# KiCad board hellen88m42bmw.kicad_pcb (continued)
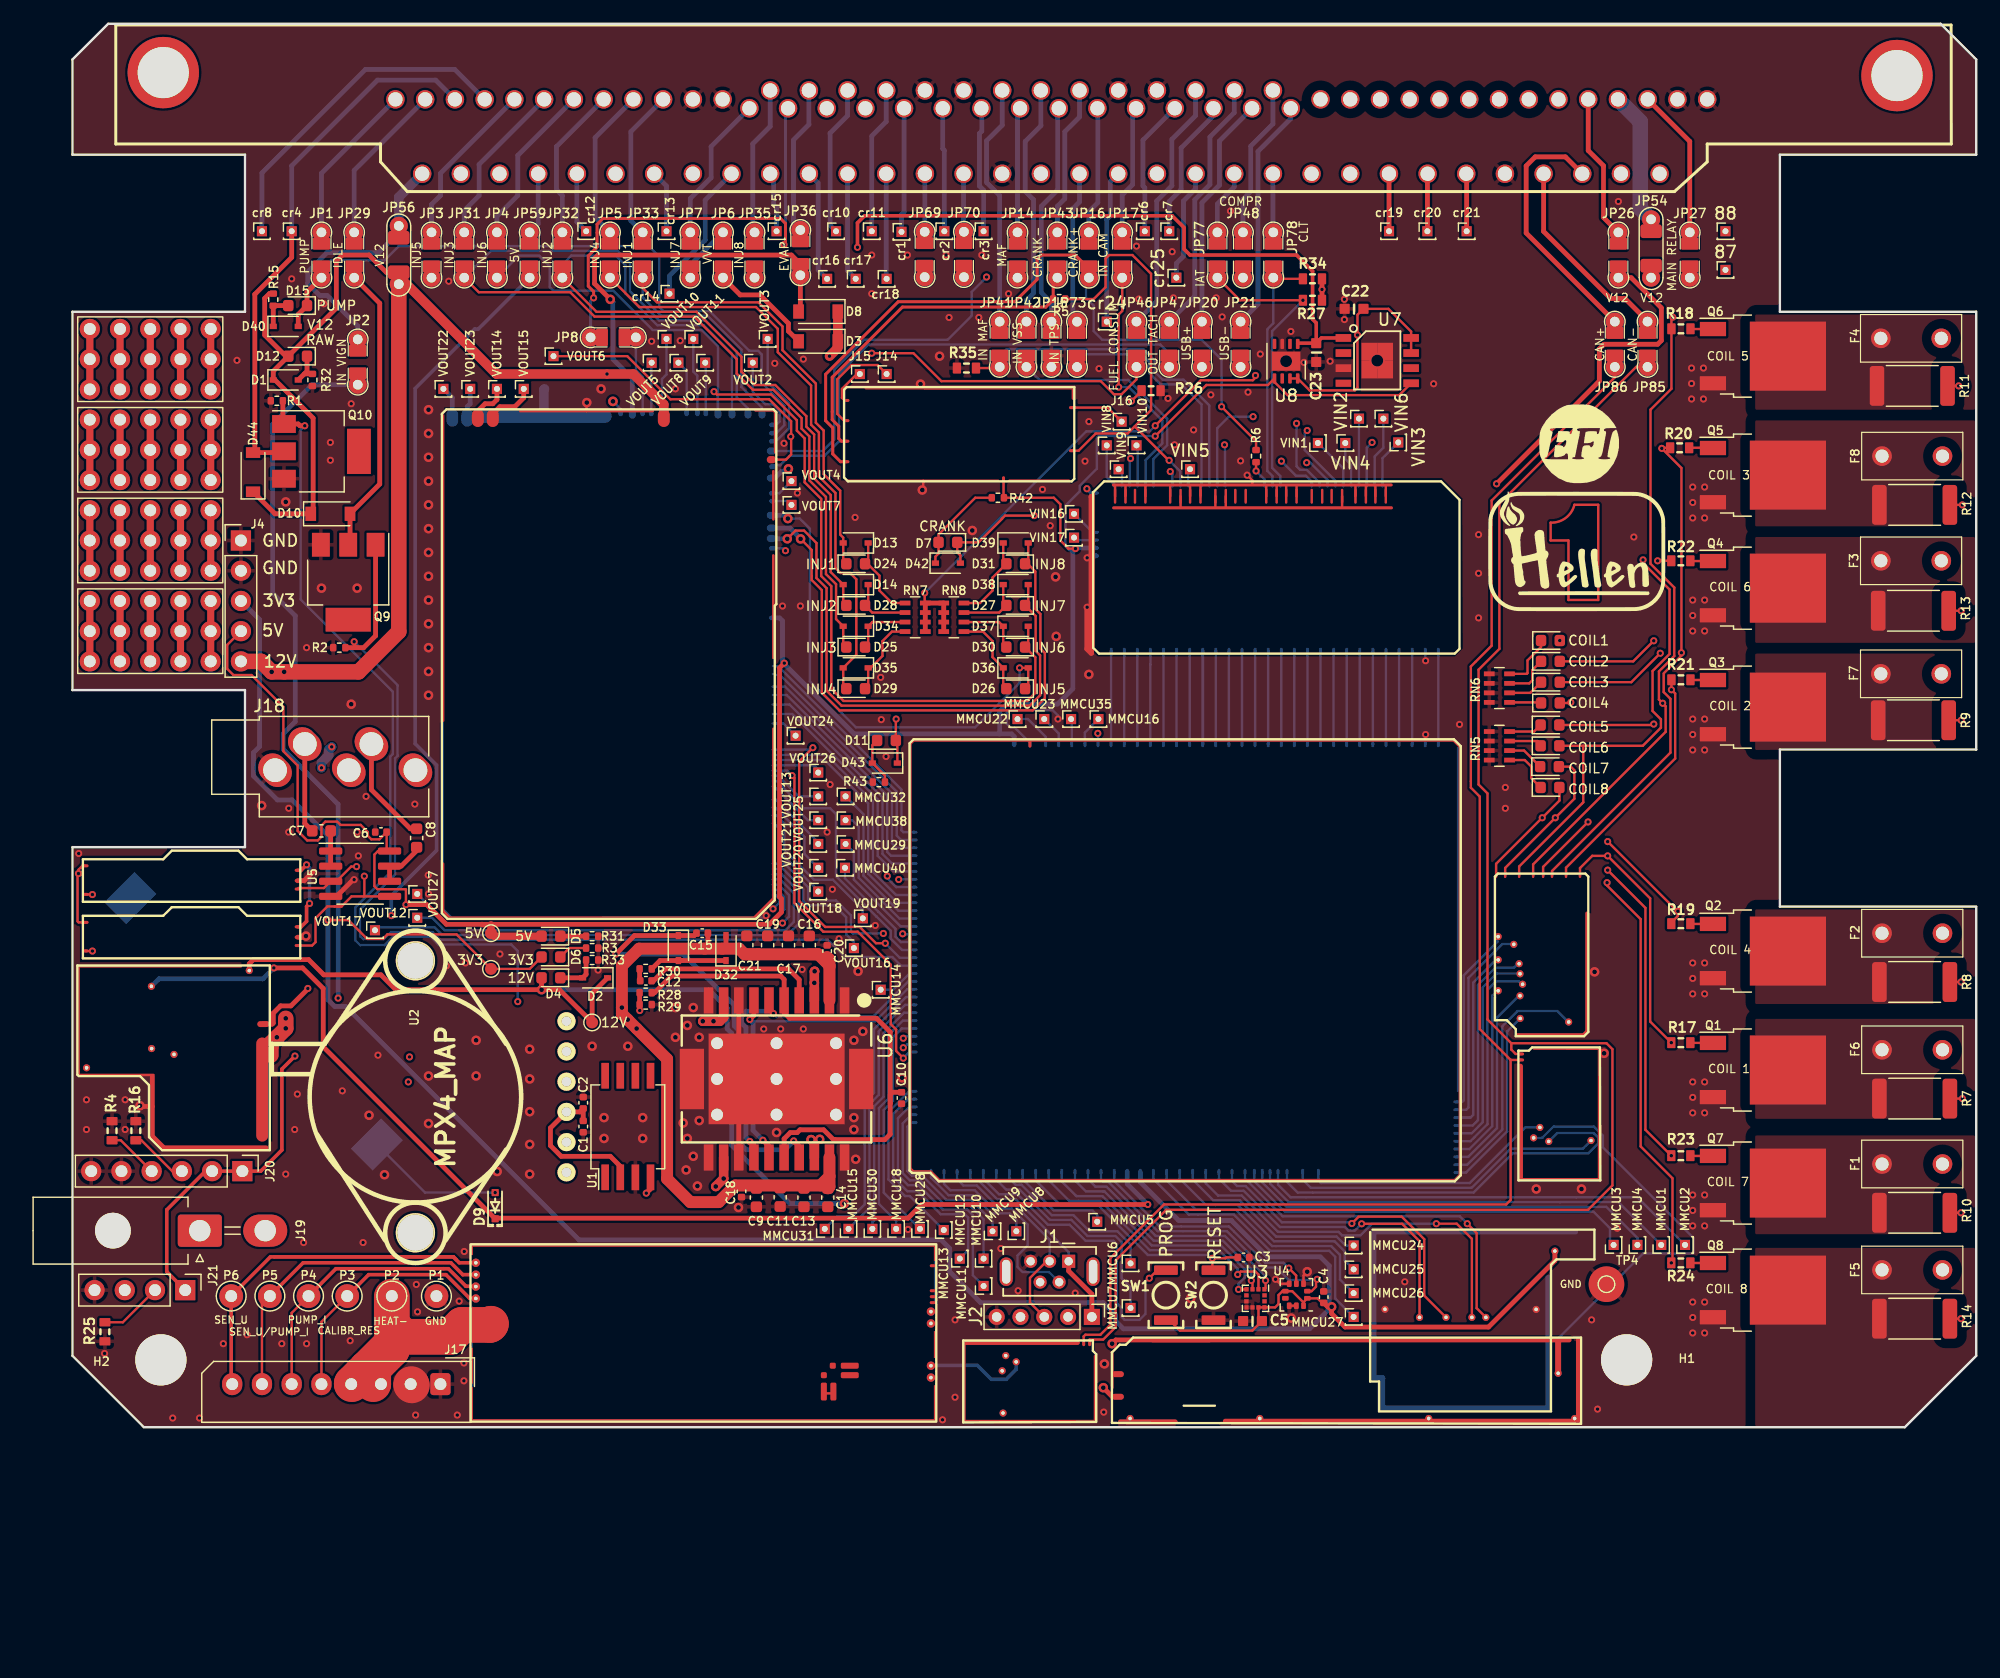
[diagram p0: board, top side]
## Footprints (pads in the part's own frame, mm; a bottom-side part is the same pattern mirrored in y, then rotated) (continued)
ST_HLGA-10_2.5x2.5mm_P0.6mm_LayoutBorder3x2y
  rrect 0.55x0.4 smd: 1(-0.925,0.3) 2(-0.925,-0.3) 6(0.925,-0.3) 7(0.925,0.3)
  rrect 0.4x0.55 smd: 3(-0.6,-0.925) 4(0,-0.925) 5(0.6,-0.925) 8(0.6,0.925) 9(0,0.925) 10(-0.6,0.925)
TestPoint_Pad_D1.0mm
  round 3 smd: 1(0,0)
TestPoint_Pad_D1.0mm#2
  round 1 smd: 1(0,0)
TO-252-2
  rect 3.05x2.75 smd: (0.425,1.525) (0.425,-1.525) (3.775,1.525) (3.775,-1.525)
  rect 2.2x1.2 smd: 1(-4.2,2.28) 3(-4.2,-2.28)
  rect 6.4x5.8 smd: 2(2.1,0)
USB-MINI-B-VERTICAL
  rect 1.1x1.1 hole 0.7: 1(-1.6,-0.875)
  round 1.1 hole 0.7: 2(-0.8,0.875) 3(0,-0.875) 4(0.8,0.875) 5(1.6,-0.875)
  oval 1.1x2.4 hole 0.7x2: 6(-3.65,0) 6(3.65,0)
vr
  oval 0.5x0.25 smd: E1(19.45,6.375) E2(19.45,4.65) E3(19.45,2.925) E4(19.45,1.225) W1(0.494,1.829) W2(0.5,5.45)
  oval 0.2x1 smd: G(0.418,0.664)
  oval 5.2x0.2 smd: G(3.255,7.969)
  oval 17.6x0.2 smd: G(9.127,0.197)
  oval 12.8x0.2 smd: G(13,7.975)
  oval 0.25x0.5 smd: N1(6.25,7.85)
wbo
  round 0.7 hole 0.3: E1(38.8,1.65) E2(38.8,2.65) E3(38.8,3.65) E4(38.8,4.65) W1(0.55,11.3) W2(0.55,10.3) W3(0.55,6.75) W4(0.55,5.75)
  round 3 smd: E5(37.55,6.8)
  rect 0.25x3 smd: E6(39.175,10.3)
  rect 0.25x3.1 smd: G(0.175,13.5)
  rect 0.25x3.1 smd far side: G(0.175,13.5)
  rect 0.25x2.25 smd: G(0.175,8.525)
  rect 0.25x2.25 smd far side: G(0.175,8.525)
  rect 0.25x5.05 smd far side: G(0.175,2.575)
  rect 0.25x1.45 smd: G(0.175,0.775)
  rect 39.25x0.25 smd: G(19.675,14.925) G(19.675,0.175)
  rect 39.25x0.25 smd far side: G(19.675,14.925) G(19.675,0.175)
  rect 0.25x2.95 smd: G(39.175,13.575)
  rect 0.25x9.75 smd far side: G(39.175,10.175)
  rect 0.25x0.95 smd: G(39.175,0.525)
  rect 0.25x0.95 smd far side: G(39.175,0.525)
  rrect 0.5x1.5 smd: J1(9.55,12.475) J_GND1(8.75,12.475)
  rrect 1.5x0.5 smd: J2(7.375,10.3) J_VCC2(7.375,11.1)
  rrect 0.5x0.5 smd: J_GND2(8.8,10.3) J_VCC1(9.55,11.1)
  rrect 0.5x0.25 smd: W5(0.4,5) W6(0.4,4.5) W7(0.4,4) W8(0.4,1.9)
XH-8A
  rrect 1.7x1.85 hole 1: 1(-8.75,-1.1)
  oval 1.7x1.85 hole 1: 2(-6.25,-1.1) 3(-3.75,-1.1) 4(-1.25,-1.1) 5(1.25,-1.1) 6(3.75,-1.1) 7(6.25,-1.1) 8(8.75,-1.1)

## Nets
+3V3: C4.1 C5.2 D6.2 J4.3 M11.N16 M13.V1 SW1.2 TP3.1 U3.9 U3.10 U4.1 U4.6 U4.10
+5V: C6.1 D5.2 J4.4 M1.E1 M2.V1 M3.W1 M4.V1 M5.V2 M6.N1 M7.E2 M9.W14 M11.S1 R42.1 TP2.1 U5.8 U7.5 U8.5
+5VA: C1.1 C2.1 M7.E5 M7.J1 M7.J7 M7.J17 M7.J18 M7.J21 M7.N1 M8.E1 M11.S33 M12.E1 R27.2 R34.2 U1.2 U2.3
+5VP: C23.2 J20.1 J20.2 J21.1 JP59.2 U7.1 U8.1
+12V: D2.1 D4.2 M1.V1 M5.V1 TP1.1
+12V_RAW: C9.1 C11.1 C13.1 C14.1 C15.1 C16.1 C17.1 C18.1 C19.1 C20.1 C21.1 D1.1 D3.1 D8.1 D10.1 D12.2 D32.2 D44.1 J4.5 JP54.2 JP56.2 M1.E2 M9.S11 R15.1 U6.2 U6.19
/12V_prot: C22.2 M9.W5 RN7.1 RN7.2 RN7.3 RN7.4 RN8.1 RN8.2 RN8.3 RN8.4 U7.7 U7.8 U8.7 U8.8 VOUT6.1
/V12_PERM: JP26.2 M1.V4
/VBAT: D9.1 M1.V2 M11.N17
/VBUS: J1.1 J2.1 M11.N29
/VSS: M7.N20 M11.S14
GND: BT1.2 C1.2 C2.2 C3.2 C4.2 C5.1 C6.2 C9.2 C10.2 C11.2 C13.2 C14.2 C16.2 C17.2 C18.2 C19.2 C20.2 C21.2 C22.1 C23.1 J1.5 J2.5 J4.1 J4.2 J17.1 J17.2 J18.S J20.5 J20.6 J21.4 JP15.2 M1.S1 M2.E1 M3.E6 M3.G M4.E1 M5.G M6.G M7.E1 M7.J2 M7.J3 M7.J4 M7.J5 M7.J6 M7.J11 M7.J12 M7.J13 M7.J14 M7.J19 M7.J20 M7.J22 M7.J23 M7.J25 M7.J26 M7.N2 M8.E2 M9.G M9.S3 M10.G M11.S2 M11.S32 M12.E2 M13.G M13.V2 M13.V3 P1.1 PP1.6 PP1.28 PP1.34 PP1.39 PP1.40 PP1.44 PP1.45 PP1.55 PP1.71 PP1.84 Q1.3 Q2.3 Q3.3 Q4.3 Q5.3 Q6.3 Q7.3 Q8.3 Q9.3 Q10.3 R1.1 R2.1 R3.2 R4.1 R16.1 R25.1 R26.1 R29.1 R31.2 R32.2 R33.2 R35.1 R43.2 RN5.1 RN5.2 RN5.3 RN5.4 RN6.1 RN6.2 RN6.3 RN6.4 SW2.2 TP4.1 U1.3 U2.2 U3.6 U3.7 U3.8 U4.3 U4.5 U4.8 U4.9 U5.4 U6.1 U6.8 U6.10 U6.11 U6.13 U6.20 U6.SLUG1 U6.SLUG2 U6.SLUG3 U7.3 U7.9 U8.3 U8.9
/+ETB: M11.E14 U6.7 U6.15
/-ETB: M11.E15 U6.6 U6.14
/A1: M7.N4 M11.S30
/A2: M7.N12 M11.S22
/A4: M7.N11 M11.S23
/AC_COMPR: M9.W34 M11.E21
/AFR: M7.N18 M11.S16
/AUX4: M7.N7 M11.S27
/BOOT0: M11.N28 SW1.1
/CAM: M7.N19 M11.S15
/CAN+: JP86.2 M2.S2 M4.S2
/CAN-: JP85.2 M2.S1 M4.S1
/CAN_RX: M2.V6 M11.N2
/CAN_TX: M2.V5 M11.N3
/CAN_VIO: M2.V2 M11.N1
/CLT: M7.N16 M11.S18
/COIL_1: F6.2 Q1.2 R7.1
/COIL_2: F7.2 Q3.2 R9.1
/COIL_3: F8.2 Q5.2 R12.2
/COIL_4: F2.2 Q2.2 R8.1
/COIL_5: F4.2 Q6.2 R11.2
/COIL_6: F3.2 Q4.2 R13.2
/COIL_7: F1.2 Q7.2 R10.1
/COIL_8: F5.2 Q8.2 R14.2
/CRANK: M7.N21 M11.S13
/ETB_EN: M11.E27 R28.2 R29.2
/EVAP: M9.W38 M11.E7
/FUEL_CONSUM: M9.W22 M11.E18
/HV_1: F6.1 PP1.50
/HV_2: F7.1 PP1.51
/HV_3: F8.1 PP1.52
/HV_4: F2.1 PP1.23
/HV_5: F4.1 PP1.25
/HV_6: F3.1 PP1.24
/HV_7: F1.1 PP1.22
/HV_8: F5.1 PP1.49
/IAT: M7.N15 M11.S19
/ICV: M11.E28 Q10.1 R1.2
/IDLE: M11.E17 Q9.1 R2.2
/IGN1: M10.V8 M11.W1
/IGN2: M10.V7 M11.W2
/IGN3: M10.V6 M11.W3
/IGN4: M10.V5 M11.W4
/IGN5: M10.V4 M11.W5
/IGN6: M10.V3 M11.W6
/IGN7: M10.V2 M11.W7
/IGN8: M10.V1 M11.W8
/IGN_V5: M10.V9 M11.W9
/IGN_V33: M10.V10 M11.W10
/IN_CAM: JP17.2 M7.S5
/IN_CLT: JP78.2 M7.S15 R34.1
/IN_CRANK: D7.1 D42.2 M6.W2 M7.S8 R5.2
/IN_CRANK+: JP43.2 M6.E2 R5.1
/IN_CRANK-: JP16.2 M6.E1 R6.1
/IN_IAT: JP77.2 M7.S16 R27.1
/IN_KNOCK1: M7.S7 M8.E3 U5.3
/IN_KNOCK1_RAW: JP69.2 M8.W1
/IN_KNOCK2: M7.S3 M12.E3 R26.2 U5.5
/IN_KNOCK2_RAW: JP70.2 M12.W1
/IN_MAF: JP14.2 JP41.2 M7.S11 R35.2
/IN_MAP2: M7.S12 U2.1
/IN_PPS1: J21.3 M7.S24
/IN_PPS2: J21.2 M7.S18 R25.2
/IN_TPS: JP73.2 M7.S10
/IN_TPS2: J20.4 M7.S17 R4.2
/IN_TPS3: J20.3 M7.S20 R16.2
/IN_VIGN: JP2.2 M1.V3
/IN_VSS: JP42.2 M7.S6
/INJ1: M9.W24 M11.E25
/INJ2: M9.W23 M11.E26
/INJ3: M9.W20 M11.E29
/INJ4: M9.W19 M11.E30
/INJ5: M9.W18 M11.E31
/INJ6: M9.W17 M11.E32
/INJ7: M9.W16 M11.E33
/INJ8: M9.W15 M11.E34
/INK1: M7.N22 M11.S12
/INK2: M7.N24 M11.S10
/LPS_SCL: M11.N19 U4.2
/LPS_SDA: M11.N18 U4.4
/LSU_CALIBR_RES: J17.5 M3.E4 P3.1
/LSU_HEAT-: J17.3 J17.4 M3.E5 P2.1
/LSU_PUMP_I: J17.6 M3.E3 P4.1
/LSU_SENSOR_U: J17.8 M3.E1 P6.1
/LSU_SENSOR_U/PUMP_I: J17.7 M3.E2 P5.1
/MAF: M7.N14 M11.S20
/MAIN_RELAY: M9.W40 M11.E8
/MAP2: M7.N13 M11.S21
/NRESET: C3.1 M11.N24 SW2.1
/OUT_AC_COMPR: JP48.2 M9.W4
/OUT_CHECK_ENGINE: JP8.2 M9.S8
/OUT_ETB+: J19.2 U6.3 U6.18
/OUT_ETB-: J19.1 U6.9 U6.12
/OUT_EVAP: D8.2 JP36.2 M9.S7
/OUT_FUEL_CONSUM: JP46.2 M9.S6
/OUT_FUEL_PUMP_RELAY: D15.1 D40.2 JP1.2 M9.W2
/OUT_ICV: cr4.1 D44.2 PP1.2 Q10.2
/OUT_IDLE: D10.2 JP29.2 Q9.2
/OUT_IGN1: D23.2 M10.S8 R7.2 R17.2
/OUT_IGN2: D19.2 M10.S7 R9.2 R21.2
/OUT_IGN3: D22.2 M10.S6 R12.1 R20.2
/OUT_IGN4: D18.2 M10.S5 R8.2 R19.2
/OUT_IGN5: D21.2 M10.S4 R11.1 R18.2
/OUT_IGN6: D17.2 M10.S3 R13.1 R22.2
/OUT_IGN7: D20.2 M10.S2 R10.2 R23.2
/OUT_IGN8: D16.2 M10.S1 R14.1 R24.2
/OUT_INJ1: D13.2 D24.1 JP33.2 M9.S18
/OUT_INJ2: D14.2 D28.1 JP32.2 M9.S16
/OUT_INJ3: D25.1 D34.2 JP31.2 M9.S17
/OUT_INJ4: D29.1 D35.2 JP5.2 M9.W7
/OUT_INJ5: D26.1 D36.2 JP3.2 M9.W10
/OUT_INJ6: D30.1 D37.2 JP4.2 M9.S15
/OUT_INJ7: D27.1 D38.2 JP6.1 JP7.2 M9.W12
/OUT_INJ8: D31.1 D39.2 JP35.2 M9.W11
/OUT_MAIN_RELAY: D11.2 D43.1 JP27.2 M9.W13
/OUT_TACH: JP47.2 M9.W6
/PPS1: M7.N5 M11.S29
/PPS2: M7.N9 M11.S25
/PUMP: M9.W26 M11.E6
/RES1: M7.N6 M11.S28
/RES2: M7.N3 M11.S31
/SD_CLK: M11.N9 M13.V6
/SD_CS: M11.N8 M13.V4
/SD_MISO: M11.N10 M13.V7
/SD_MOSI: M11.N11 M13.V5
/SENS1: M7.N26 M11.S8
/SENS2: M7.N25 M11.S9
/SENS4: M7.N23 M11.S11
/SPI_CS: M11.N23 U3.2
/SPI_MISO: M11.N21 U3.3
/SPI_MOSI: M11.N22 U3.4
/SPI_SCK: M11.N20 U3.1
/TACH: M9.W28 M11.E19
/TPS: M7.N17 M11.S17
/TPS2: M7.N10 M11.S24
/TPS3: M7.N8 M11.S26
/USBM: J1.2 J2.2 JP21.2 M11.N31
/USBP: J1.3 J2.3 JP20.2 M11.N30
/VIGN: M1.V5 M11.S7
/VREF1: M7.S14 R6.2
/VREF2: M7.S13 M8.W2 M12.W2
Net-(BT1-+): BT1.1 D9.2
Net-(C7-Pad2): C7.2 J18.T
Net-(C8-Pad2): C8.2 J18.R
Net-(C12-Pad1): C12.1 R30.1
Net-(cr1-Pin_1): cr1.1 PP1.11
Net-(cr2-Pin_1): cr2.1 PP1.12
Net-(cr3-Pin_1): cr3.1 PP1.13
Net-(cr6-Pin_1): cr6.1 PP1.18
Net-(cr7-Pin_1): cr7.1 PP1.19
Net-(cr8-Pin_1): cr8.1 PP1.30
Net-(cr10-Pin_1): cr10.1 PP1.37
Net-(cr11-Pin_1): cr11.1 PP1.38
Net-(cr12-Pin_1): cr12.1 PP1.60
Net-(cr13-Pin_1): cr13.1 PP1.62
Net-(cr14-Pin_1): cr14.1 PP1.64
Net-(cr15-Pin_1): cr15.1 PP1.65
Net-(cr16-Pin_1): cr16.1 PP1.66
Net-(cr17-Pin_1): cr17.1 PP1.67
Net-(cr18-Pin_1): cr18.1 PP1.68
Net-(cr19-Pin_1): cr19.1 PP1.81
Net-(cr20-Pin_1): cr20.1 PP1.82
Net-(cr21-Pin_1): cr21.1 PP1.83
Net-(cr22-Pin_1): cr22.1 PP1.87
Net-(cr23-Pin_1): cr23.1 PP1.88
Net-(cr24-Pin_1): cr24.1 PP1.74
Net-(cr25-Pin_1): cr25.1 PP1.76
Net-(D1-A): D1.2 D12.1 R32.1
Net-(D2-A): D2.2 D4.1 R33.1
Net-(D3-A): D3.2 JP6.2
Net-(D5-K): D5.1 R31.1
Net-(D6-K): D6.1 R3.1
Net-(D11-K): D11.1 D43.2 R43.1
Net-(D13-K): D13.1 D24.2 RN7.5
Net-(D14-K): D14.1 D28.2 RN7.6
Net-(D15-A): D15.2 D40.1 R15.2
Net-(D16-K): D16.1 RN5.5
Net-(D17-K): D17.1 RN5.7
Net-(D18-K): D18.1 RN6.5
Net-(D19-K): D19.1 RN6.7
Net-(D20-K): D20.1 RN5.6
Net-(D21-K): D21.1 RN5.8
Net-(D22-K): D22.1 RN6.6
Net-(D23-K): D23.1 RN6.8
Net-(D25-A): D25.2 D34.1 RN7.7
Net-(D26-A): D26.2 D36.1 RN8.5
Net-(D27-A): D27.2 D38.1 RN8.7
Net-(D29-A): D29.2 D35.1 RN7.8
Net-(D30-A): D30.2 D37.1 RN8.6
Net-(D31-A): D31.2 D39.1 RN8.8
Net-(D32-K): D32.1 D33.2 R30.2
Net-(D33-K): C15.2 D33.1 U6.17
Net-(D42-K): D7.2 D42.1 R42.2
Net-(G3-Pad1): G3.1 G3.6 G3.11
Net-(G3-Pad10): G3.5 G3.10 G3.15
Net-(G3-Pad12): G3.2 G3.7 G3.12
Net-(G3-Pad13): G3.3 G3.8 G3.13
Net-(G3-Pad14): G3.4 G3.9 G3.14
Net-(G4-Pad1): G4.1 G4.6 G4.11
Net-(G4-Pad10): G4.5 G4.10 G4.15
Net-(G4-Pad12): G4.2 G4.7 G4.12
Net-(G4-Pad13): G4.3 G4.8 G4.13
Net-(G4-Pad14): G4.4 G4.9 G4.14
Net-(G6-Pad1): G6.1 G6.6 G6.11
Net-(G6-Pad10): G6.5 G6.10 G6.15
Net-(G6-Pad12): G6.2 G6.7 G6.12
Net-(G6-Pad13): G6.3 G6.8 G6.13
Net-(G6-Pad14): G6.4 G6.9 G6.14
Net-(G7-Pad1): G7.1 G7.6 G7.11
Net-(G7-Pad10): G7.5 G7.10 G7.15
Net-(G7-Pad12): G7.2 G7.7 G7.12
Net-(G7-Pad13): G7.3 G7.8 G7.13
Net-(G7-Pad14): G7.4 G7.9 G7.14
Net-(J14-Pin_1): J14.1 M6.E3
Net-(J15-Pin_1): J15.1 M6.E4
Net-(J16-Pin_1): J16.1 M6.W1
Net-(JP1-Pad1): JP1.1 PP1.1
Net-(JP2-Pad1): JP2.1 JP56.1 PP1.56
Net-(JP3-Pad1): JP3.1 PP1.3
Net-(JP4-Pad1): JP4.1 PP1.4
Net-(JP5-Pad1): JP5.1 PP1.5
Net-(JP7-Pad1): JP7.1 PP1.7
Net-(JP8-Pad1): JP8.1 PP1.8
Net-(JP14-Pad1): JP14.1 PP1.14
Net-(JP15-Pad1): JP15.1 PP1.15
Net-(JP16-Pad1): JP16.1 PP1.16
Net-(JP17-Pad1): JP17.1 PP1.17
Net-(JP20-Pad1): JP20.1 PP1.20
Net-(JP21-Pad1): JP21.1 PP1.21
Net-(JP26-Pad1): JP26.1 PP1.26
Net-(JP27-Pad1): JP27.1 PP1.27
Net-(JP29-Pad1): JP29.1 PP1.29
Net-(JP31-Pad1): JP31.1 PP1.31
Net-(JP32-Pad1): JP32.1 PP1.32
Net-(JP33-Pad1): JP33.1 PP1.33
Net-(JP35-Pad1): JP35.1 PP1.35
Net-(JP36-Pad1): JP36.1 PP1.36
Net-(JP41-Pad1): JP41.1 PP1.41
Net-(JP42-Pad1): JP42.1 PP1.42
Net-(JP43-Pad1): JP43.1 PP1.43
Net-(JP46-Pad1): JP46.1 PP1.46
Net-(JP47-Pad1): JP47.1 PP1.47
Net-(JP48-Pad1): JP48.1 PP1.48
Net-(JP54-Pad1): JP54.1 PP1.54
Net-(JP59-Pad1): JP59.1 PP1.59
Net-(JP69-Pad1): JP69.1 PP1.69
Net-(JP70-Pad1): JP70.1 PP1.70
Net-(JP73-Pad1): JP73.1 PP1.73
Net-(JP77-Pad1): JP77.1 PP1.77
Net-(JP78-Pad1): JP78.1 PP1.78
Net-(JP85-Pad1): JP85.1 PP1.85
Net-(JP86-Pad1): JP86.1 PP1.86
Net-(M3-CAN_RX): M3.W3 M4.V6
Net-(M3-CAN_TX): M3.W4 M4.V5
Net-(M3-CAN_VIO): M3.W2 M4.V2
Net-(M3-PULL_DOWN1): M3.J1 M3.J_GND1
Net-(M7B-WBO_O2S2): M7.E3 VIN17.1
Net-(M7B-WBO_O2S): M7.E4 VIN16.1
Net-(M7C-IN_AUX4): M7.S21 VIN1.1
Net-(M7C-IN_MAP3): M7.S19 U1.4
Net-(M7C-IN_O2S2): M7.S25 VIN6.1
Net-(M7C-IN_O2S): M7.S9 VIN5.1
Net-(M7C-IN_RES1): M7.S23 VIN2.1
Net-(M7C-IN_RES2): M7.S26 VIN3.1
Net-(M7C-IN_RES3): M7.S22 VIN4.1
Net-(M7C-IN_SENS1): M7.S1 VIN8.1
Net-(M7C-IN_SENS2): M7.S2 VIN9.1
Net-(M7C-IN_SENS4): M7.S4 VIN10.1
Net-(M9B-LOW1): M9.W21 VOUT24.1
Net-(M9B-LOW2): M9.W29 VOUT25.1
Net-(M9B-LOW6_DIODE): M9.W25 VOUT26.1
Net-(M9B-LOW7_HIGH1): M9.W39 VOUT27.1
Net-(M9B-LOW8_HIGH2): M9.W37 VOUT12.1
Net-(M9B-LOW9): M9.W27 VOUT13.1
Net-(M9B-LOW11): M9.W35 VOUT16.1
Net-(M9B-LOW12): M9.W36 VOUT17.1
Net-(M9B-SOLENOID_A1): M9.W33 VOUT18.1
Net-(M9B-SOLENOID_A2): M9.W32 VOUT19.1
Net-(M9B-SOLENOID_B1): M9.W31 VOUT20.1
Net-(M9B-SOLENOID_B2): M9.W30 VOUT21.1
Net-(M9C-OUT_HIGH1): M9.W8 VOUT4.1
Net-(M9C-OUT_HIGH2): M9.S9 VOUT5.1
Net-(M9C-OUT_LOW2): M9.W1 VOUT2.1
Net-(M9C-OUT_LOW6_DIODE): M9.W3 VOUT3.1
Net-(M9C-OUT_LOW7_PULLUP): M9.W9 VOUT7.1
Net-(M9C-OUT_LOW8_PULLUP): M9.S12 VOUT8.1
Net-(M9C-OUT_LOW9): M9.S14 VOUT9.1
Net-(M9C-OUT_LOW11): M9.S10 VOUT10.1
Net-(M9C-OUT_LOW12): M9.S13 VOUT11.1
Net-(M9C-OUT_SOLENOID_A1): M9.S1 VOUT22.1
Net-(M9C-OUT_SOLENOID_A2): M9.S2 VOUT23.1
Net-(M9C-OUT_SOLENOID_B1): M9.S4 VOUT14.1
Net-(M9C-OUT_SOLENOID_B2): M9.S5 VOUT15.1
Net-(M11A-SPI1_CS1): M11.E4 MMCU12.1
Net-(M11A-SPI1_CS2): M11.E5 MMCU13.1
Net-(M11A-SPI1_MISO): M11.E2 MMCU10.1
Net-(M11A-SPI1_MOSI): M11.E3 MMCU11.1
Net-(M11A-SPI1_SCK): M11.E1 MMCU9.1
Net-(M11A-SWCLK): M11.N25 MMCU5.1
Net-(M11A-SWDIO): M11.N26 MMCU6.1
Net-(M11A-SWO): M11.N27 MMCU7.1
Net-(M11A-UART2_RX): M11.N7 MMCU3.1
Net-(M11A-UART2_TX): M11.N6 MMCU4.1
Net-(M11A-UART8_RX): M11.N5 MMCU1.1
Net-(M11A-UART8_TX): M11.N4 MMCU2.1
Net-(M11A-USB1ID): M11.N32 MMCU8.1
Net-(M11B-OUT_IO2): M11.E12 MMCU15.1
Net-(M11B-OUT_IO4): M11.E23 MMCU38.1
Net-(M11B-OUT_IO6): M11.E9 MMCU28.1
Net-(M11B-OUT_IO8): M11.E22 MMCU29.1
Net-(M11B-OUT_IO9): M11.E11 MMCU30.1
Net-(M11B-OUT_IO10): M11.E10 MMCU18.1
Net-(M11B-OUT_IO11): M11.E20 MMCU40.1
Net-(M11B-OUT_IO12): M11.E13 MMCU31.1
Net-(M11B-OUT_IO13): M11.E24 MMCU32.1
Net-(M11B-OUT_PWM4): M11.E16 MMCU14.1
Net-(M11C-IN_D1): M11.S3 MMCU22.1
Net-(M11C-IN_D2): M11.S4 MMCU23.1
Net-(M11C-IN_D3): M11.S5 MMCU35.1
Net-(M11C-IN_D4): M11.S6 MMCU16.1
Net-(M11D-IO1): M11.N12 MMCU24.1
Net-(M11D-IO2): M11.N13 MMCU25.1
Net-(M11D-IO3): M11.N14 MMCU26.1
Net-(M11D-IO4): M11.N15 MMCU27.1
Net-(Q1-G): Q1.1 R17.1
Net-(Q2-G): Q2.1 R19.1
Net-(Q3-G): Q3.1 R21.1
Net-(Q4-G): Q4.1 R22.1
Net-(Q5-G): Q5.1 R20.1
Net-(Q6-G): Q6.1 R18.1
Net-(Q7-G): Q7.1 R23.1
Net-(Q8-G): Q8.1 R24.1
Net-(U5A--): C7.1 U5.1 U5.2
Net-(U5B--): C8.1 U5.6 U5.7
Net-(U6-ENA): C10.1 R28.1 U6.5 U6.16
Net-(U6-VCP): C12.2 U6.4

Pads without a net: J1 4 6; J2 4; J18 RN TN; M3 J2 J_GND2 J_VCC1 J_VCC2 W5 W6 W7 W8; M7 J8 J9 J10 J15 J16 J24; PP1 9 10 53 57 58 61 63 72 75 79 80; Q9 4; Q10 4; U1 1 5 6 7 8; U2 4 5 6; U3 5 11 12; U4 7; U7 2 4 6; U8 2 4 6

## Via types
v1: diameter 0.6, hole 0.3, Top to Bottom, 297 vias
v2: diameter 0.8, hole 0.4, Top to Bottom, 102 vias
v3: diameter 1.3, hole 1, Top to Bottom, 2 vias
v4: diameter 0.813, hole 0.406, Top to Bottom, 1 via

## Routing (per net, layer and track width the routed paths; a pad name or vN(x,y) marks a point on that pad's centre or on a via; arc(x,y) is an arc through that point)
+3V3: length 222.1
  Top w0.2: 105.11,10.37 104.64,10.84 U4.1 103.46,10.51 U4.10 103.46,10.49 102.51,11.44 U4.6 101.69,11.44 101.36,11.11 101.36,10.36 101.08,10.07 99.68,10.07 99.68,9.1 ; v1(21.48,42.63) 23.18,42.63 24.76,41.05 26.09,41.05 26.47,41.42 32.28,41.42 TP3.1 38.43,38.52 D6.2 ; 99.66,9.08 99.66,8.61 99.17,8.12 93.08,8.12 92.23,8.97 91.93,8.97
  Top w0.4: M13.V1 124.59,14 119.01,8.42 106.96,8.42 105.83,9.55 v2(105.83,10.12) 105.5,10.12 C4.1
  Bottom w0.4: 94.72,17.38 93.08,17.38 ; 94.72,17.38 92.97,17.38 89.75,20.6 M11.N16 ; 94.72,17.38 97.4,17.38 100.45,14.32 104.87,14.32 105.63,13.57 105.63,10.32 v2(105.83,10.12) 103.98,8.27 88.33,8.27 87.68,8.92 87.68,9.42 86.63,10.47 76.33,10.47 73.73,13.07 73.73,15.02 73,15.75 42.57,15.75 22.95,35.37 22.04,35.37 21.48,35.93 v1(21.48,42.63) 21.48,49.71 18.47,52.72 17.23,52.72 15.21,54.73 15.21,56.7 15.73,57.21 15.73,67.88 J4.3
+5V: length 405.2
  Top w0.2: v1(91,83.3) 95.3,87.6 100.47,87.6 U8.5 101.03,87.85 102.12,86.75 111.51,86.75 U7.5 ; 22.53,50.62 22.25,50.9 21.25,50.9 20.93,50.57 20.93,49.62 20.63,49.32 19.73,49.32 18.93,50.12 18.93,55.62 17.73,56.82 17.73,60.55 15.05,63.22 13.53,63.22 13.01,63.74 13.01,65.76 J4.4 ; M6.N1 78.25,78.16 R42.1 82.48,78.12 83.03,77.57 83.03,74.53 83.71,73.85 v1(84.3,73.85) ; 22.52,50.62 24.23,50.62 24.83,50.02 24.83,49.7 25.12,49.41 25.8,49.41 C6.1 26.41,48.67 U5.8 25.68,48.43 25.38,48.13 25.38,45.47 25.63,45.22 27.99,45.22 28.03,45.18 v1(28.03,43.92)
  Top w0.4: v1(28.03,43.92) 29.78,43.92 31.43,42.27 34.43,42.27 ; 34.43,42.27 34.47,42.23 35.18,42.23 ; 34.43,42.27 58.57,42.27 59.58,43.28 59.58,44.42 59.43,44.58 59.43,63.82 v1(59.83,64.22) ; v2(87.38,7.02) 87.69,7.34 95.54,7.34 ; M1.E1 16.79,33.88 16.88,33.97 16.88,34.8 17.49,35.41 18.36,35.41 19.78,36.83 v1(19.78,36.88)
  Top w0.6: D5.2 35.43,41.27 TP2.1 35.18,42.23
  In1.Cu w0.4: v1(28.03,43.92) 24.65,43.92 19.78,39.05 v1(19.78,36.88) 19.78,33.38 17.37,30.97 10.78,30.97 9.13,32.62 2.56,32.62 0.49,30.55 0.49,29.87 1.24,29.12 24.28,29.12 35.73,17.67 74.08,17.67 75.58,16.17 75.58,5.97 ; 75.58,5.97 75.62,6.02 M4.V1 76.92,6.02 ; 75.58,5.97 73.8,4.2 72.18,4.2
  In2.Cu w0.3: v2(87.38,7.02) 87.48,6.92 87.48,3.1 86.8,2.42 81.46,2.42 78.44,5.45 M4.V1
  Bottom w0.2: v1(91,83.3) 86.25,83.3 86.1,83.15 86.1,80.57 84.66,79.13 84.66,78.66 83.45,77.45 83.45,74.05 83.77,73.73 84.08,73.73 ; M5.V2 124.86,7.46 132,14.6 136.19,14.6 136.25,14.66 136.25,15.9 128.63,23.52 128.63,24.51 127.86,25.27 124.48,25.27 123.53,24.32 M2.V1
  Bottom w0.4: 79.15,57.4 79.15,58.05 78.93,58.27 65.7,58.27 59.83,64.14 v1(59.83,64.22) 59.68,64.37 59.68,67.77 59.43,68.02 M9.W14 ; 84.25,73.9 84.08,73.73 84.08,62.07 82.78,60.77 78.52,60.77 77.93,60.18 77.93,58.27 ; 84.25,73.9 84.3,73.85 v1(84.3,73.85) ; 84.25,73.9 M7.E2
